# KiCad board KlusterLab r2.0.kicad_pcb
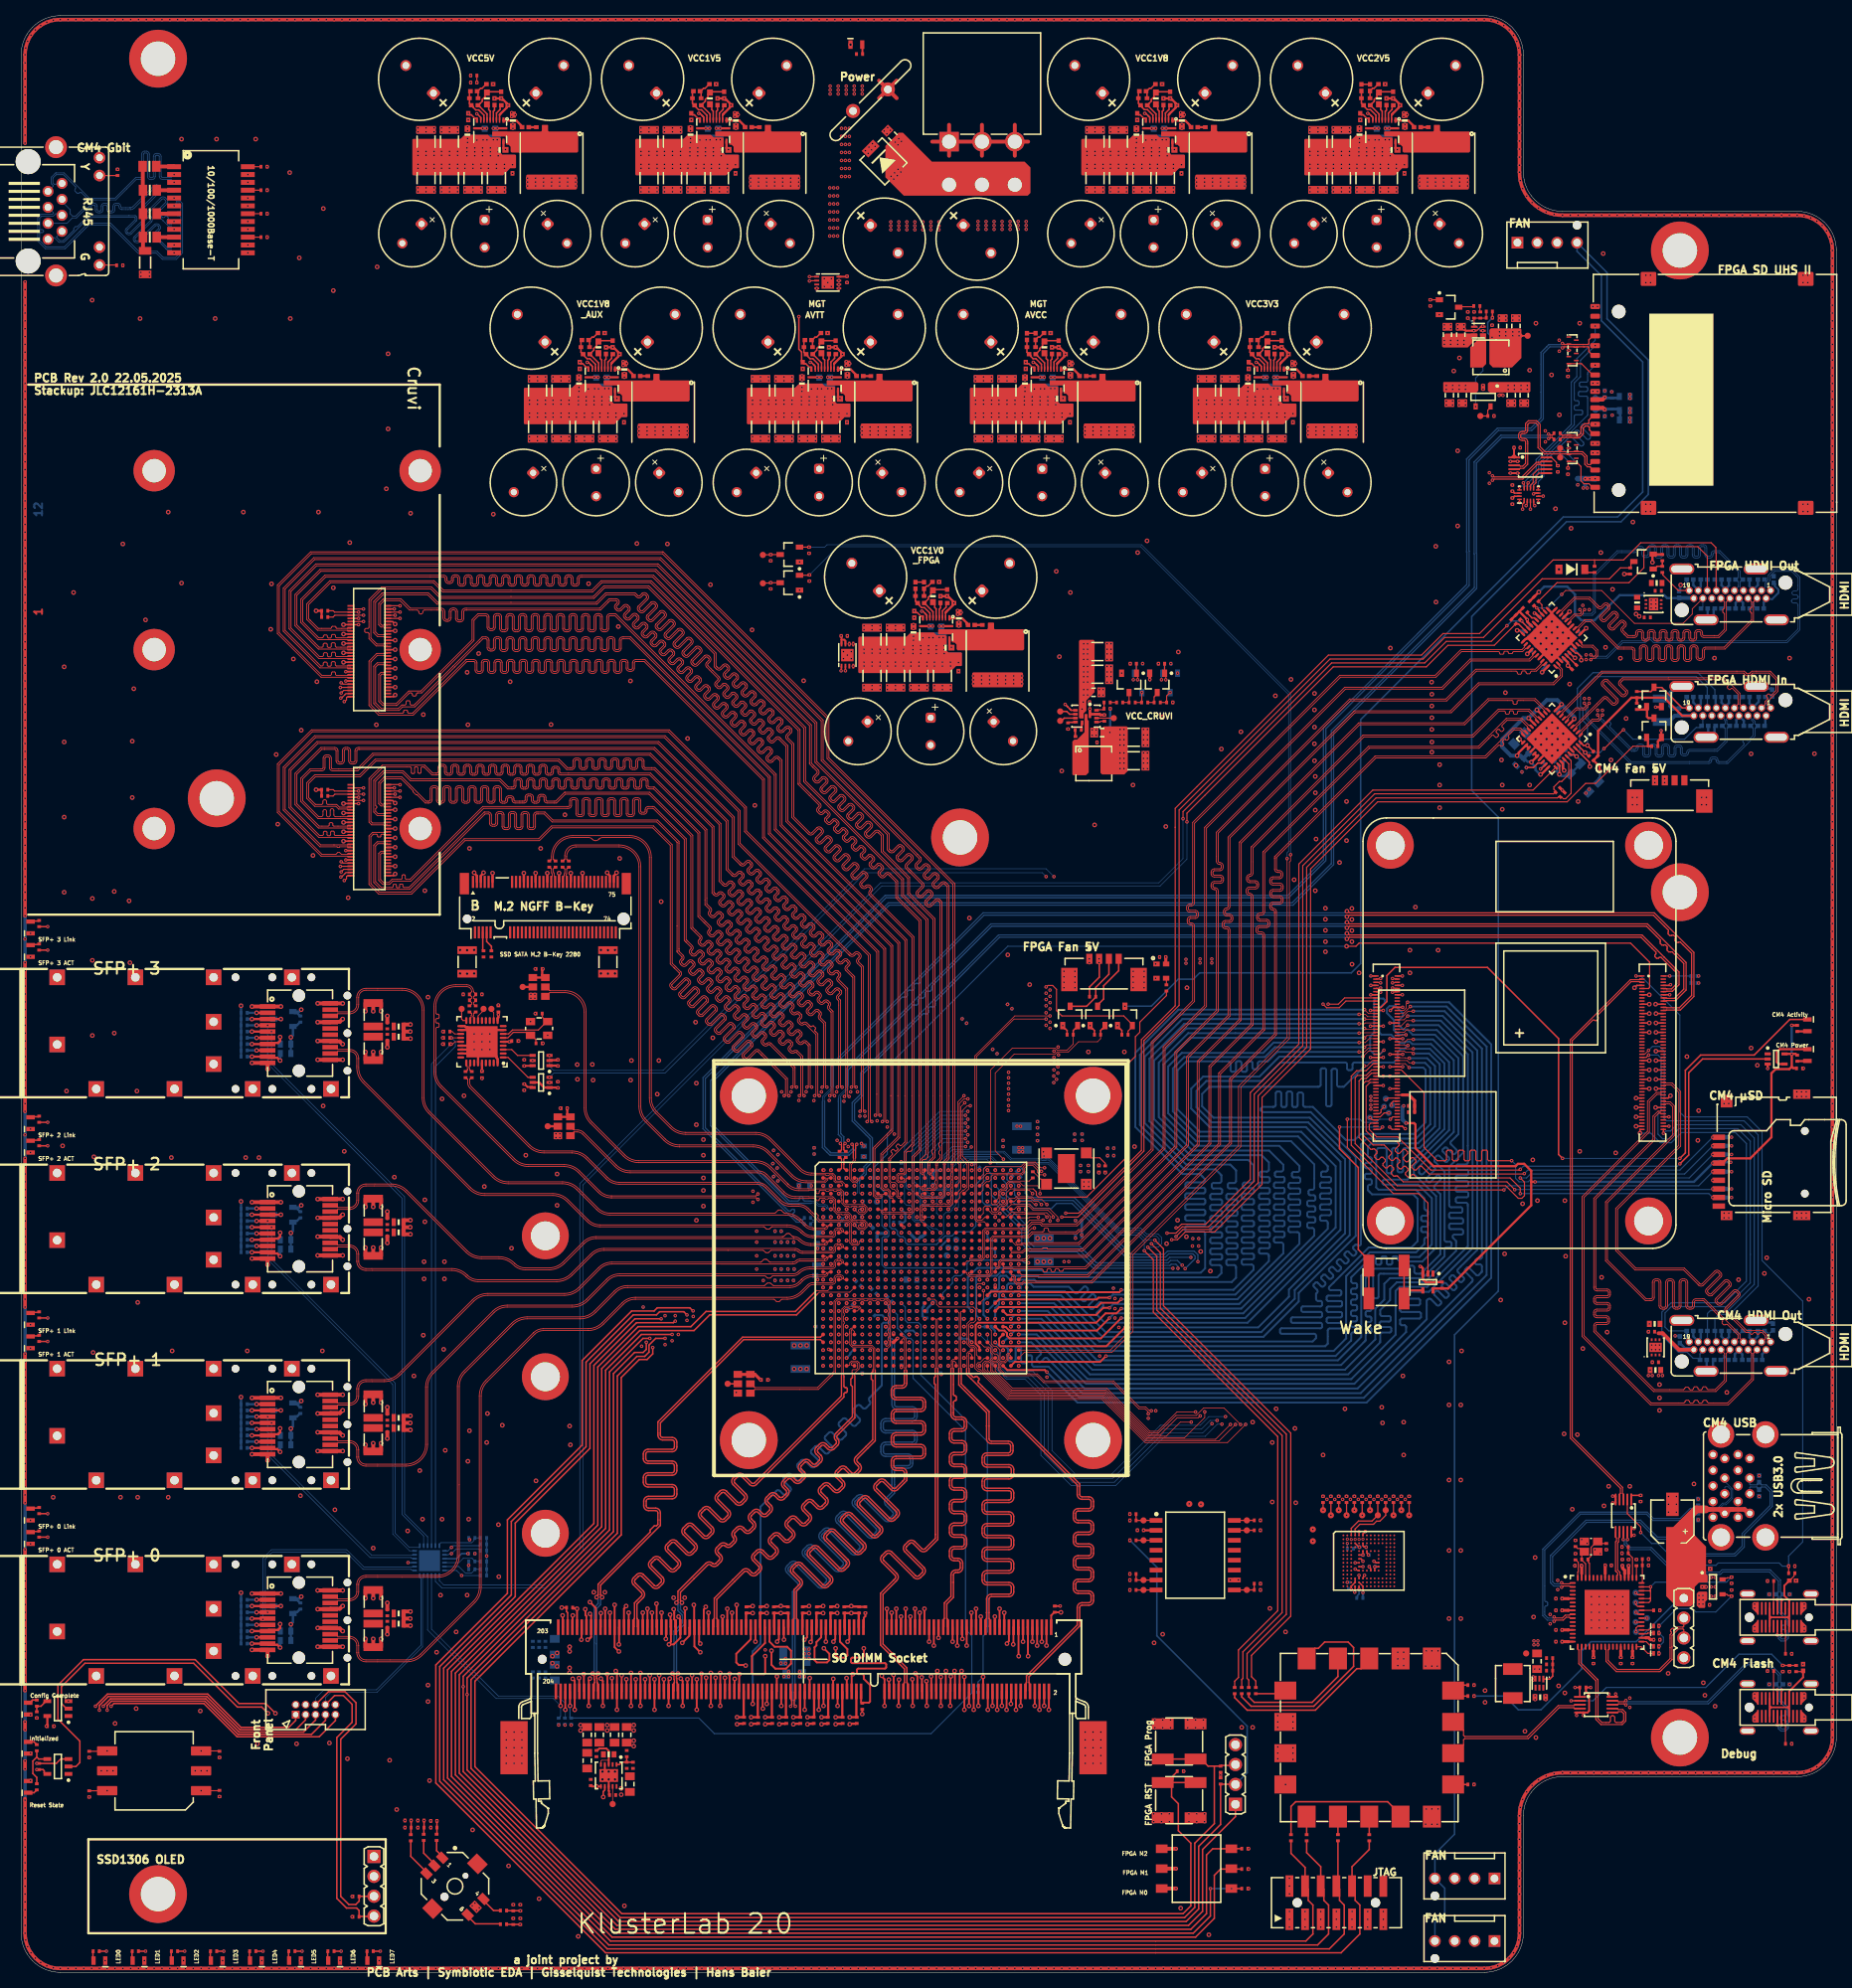
[diagram p0: board, top side]
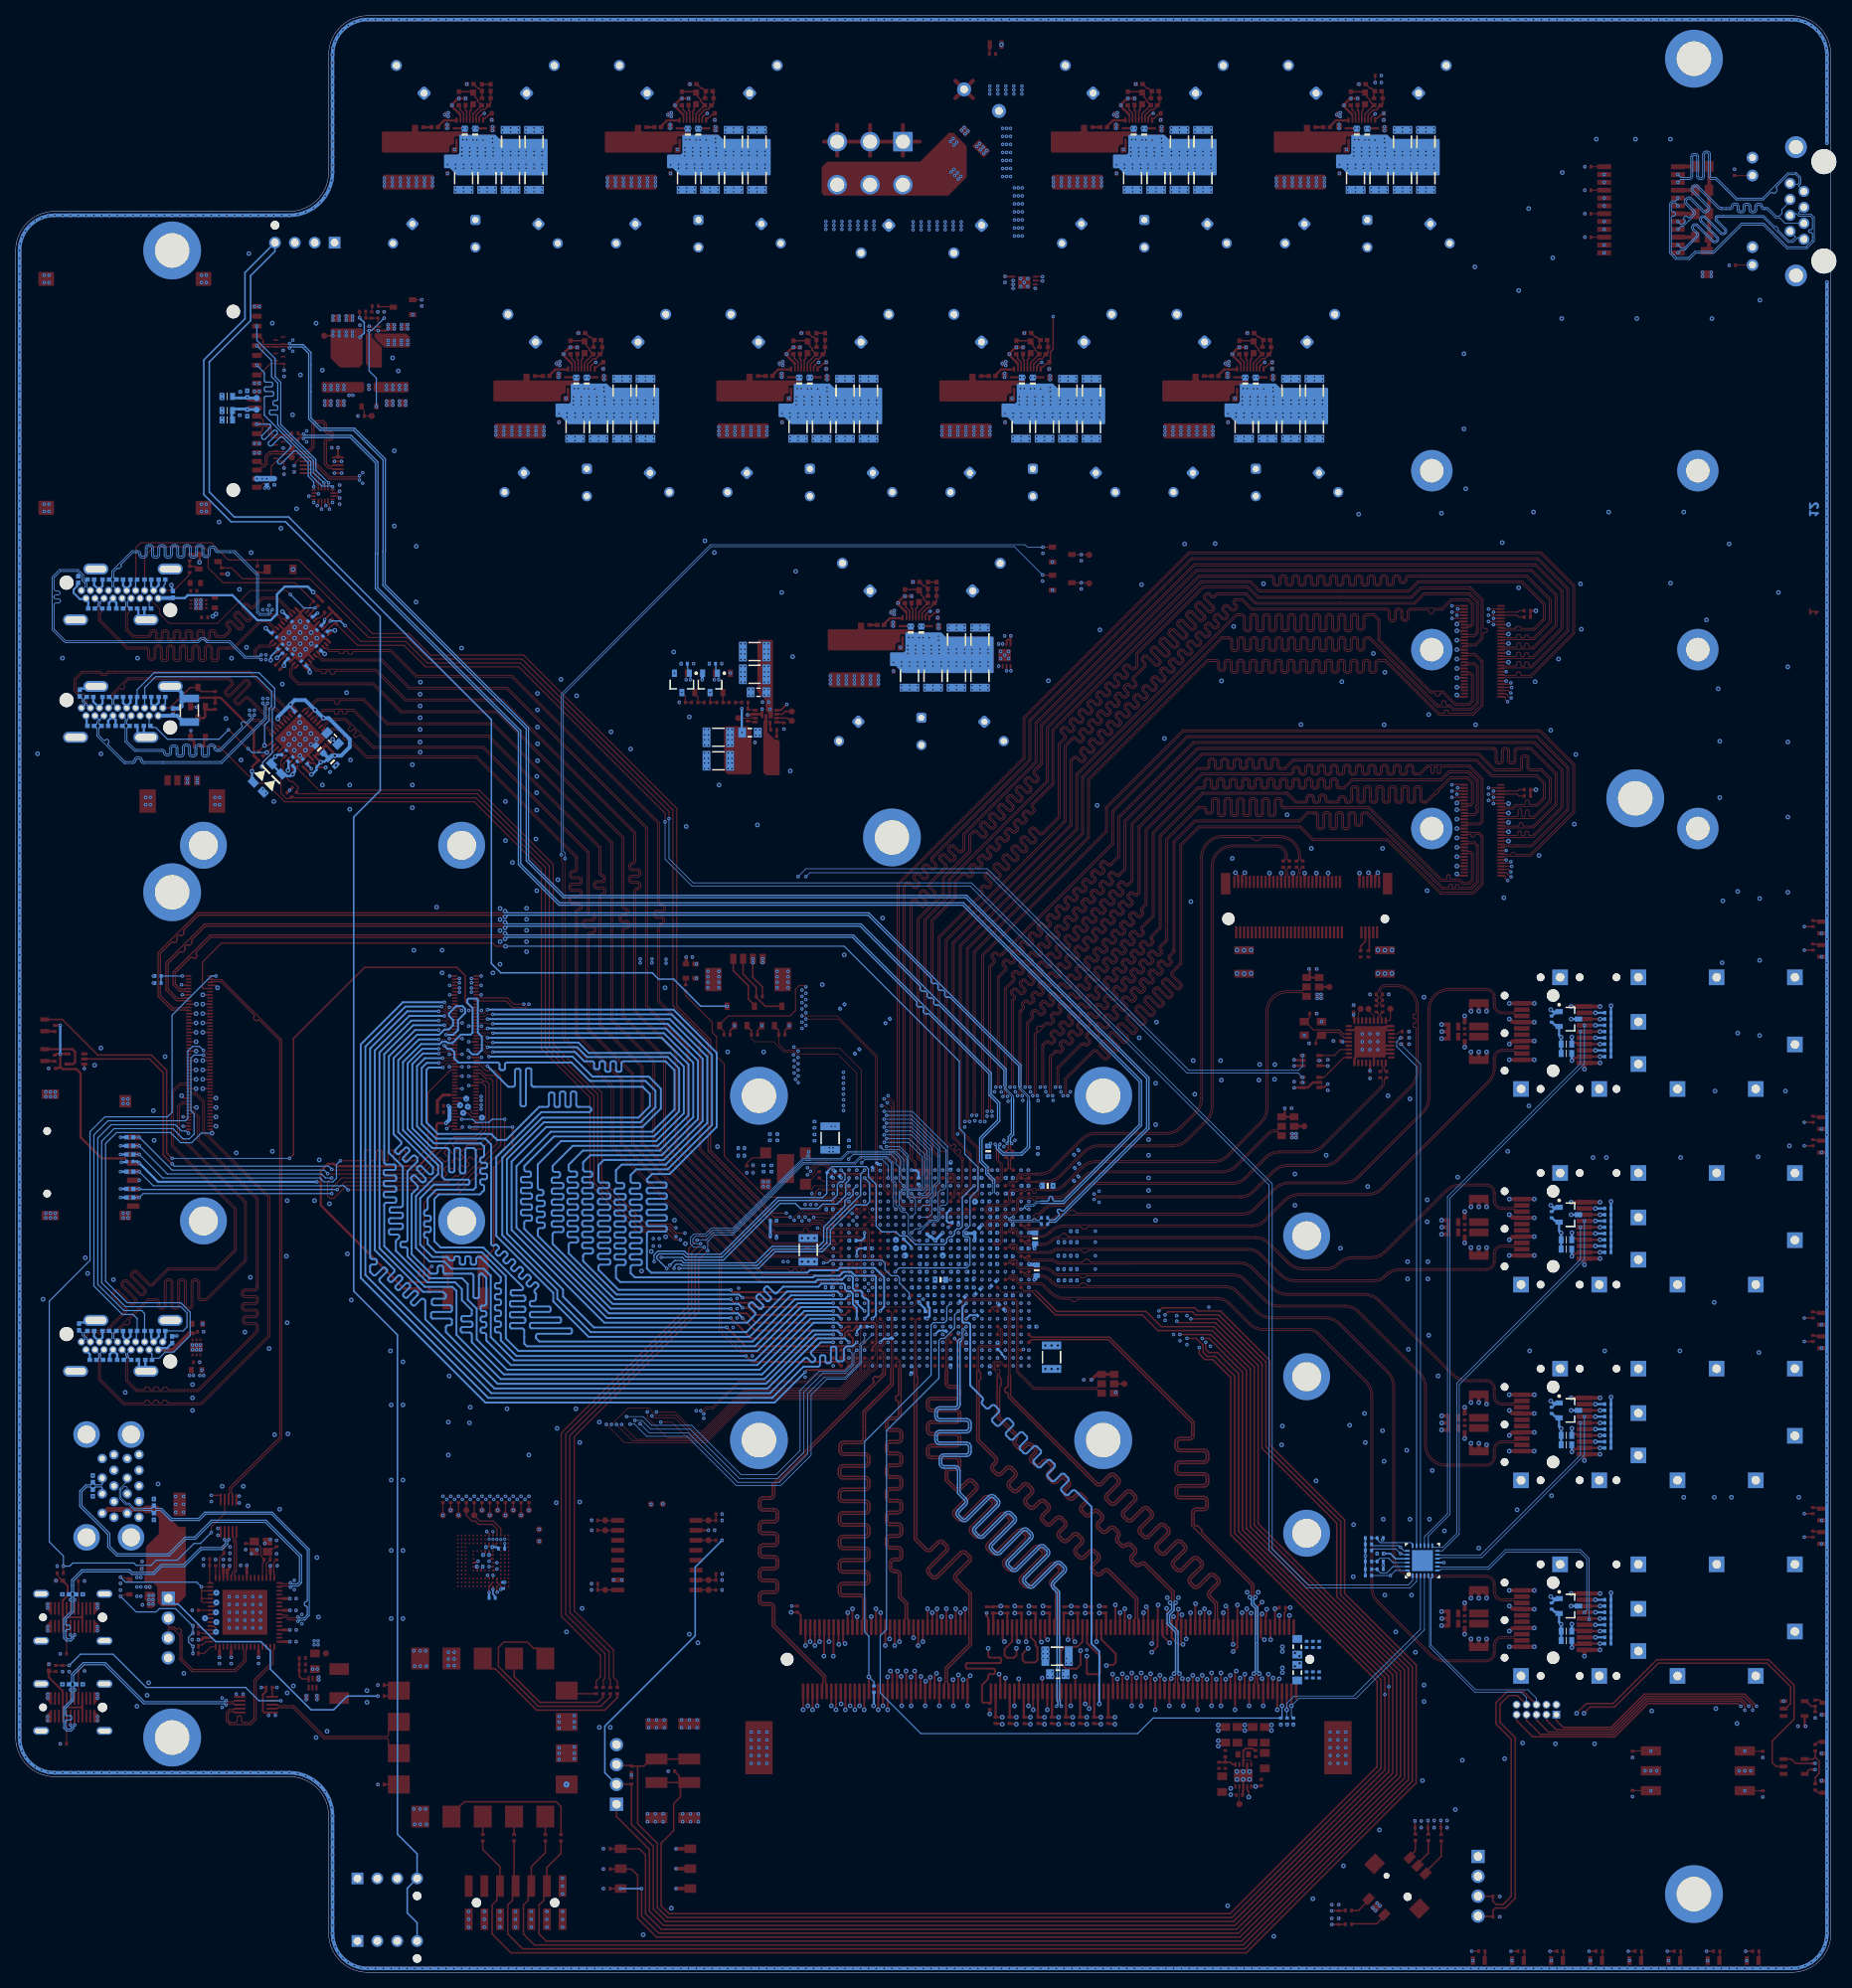
[diagram p1: board, bottom side, seen from below]

Outline 232 x 250 mm; copper layers: L1 Top, L2 Inner1 (GND), L3 Inner2 (Sig), L4 Inner3 (GND), L5 Inner4 (PWR), L6 Inner5 (PWR), L7 Inner6 (PWR), L8 Inner7 (PWR), L9 Inner8 (GND), L10 Inner9 (Sig), L11 Inner10 (GND), L12 Bottom. Coordinates in mm from the lower left corner of the outline.
Outline path: 0,245 arc(1.46,248.54) 5,250 187,250 arc(190.54,248.54) 192,245 192,230 arc(193.46,226.46) 197,225 227,225 arc(230.54,223.54) 232,220 232,30 arc(230.54,26.46) 227,25 197,25 arc(193.46,23.54) 192,20 192,5 arc(190.54,1.46) 187,0 5,0 arc(1.46,1.46) 0,5 0,245

## Placement (name value [footprint] x y rotation side)
C1  10nF 50V  [CAP_0402_L]  112.5 78 270 bottom
C2  10nF 50V  [CAP_0402_L]  106 85 45 bottom
C3  10nF 50V  [CAP_0402_L]  120 83.5 0 bottom
C4  10µF 35V  [CAP_0805]  77.8 24.05 0 top
C5  100nF 50V  [CAP_0402_L]  75.6 22.65 0 top
C6  100nF 100V  [CAP_0603_L]  75.1 27.85 90 top
C7  10µF 35V  [CAP_0805]  75.85 30.35 0 top
C8  10µF 35V  [CAP_0805]  77.4 30.35 0 top
C9  100nF 50V  [CAP_0402_L]  72.8 24.25 90 top
C10  100nF 50V  [CAP_0402_L]  73.53 27.95 270 top
C11  10µF 35V  [CAP_0805]  72.35 27.05 180 top
C12  10µF 35V  [CAP_0805]  72.35 30.35 0 top
C13  10µF 35V  [CAP_0805]  73.9 30.35 0 top
C14  10nF 50V  [CAP_0402_L]  78.2 26.45 270 top
C15  100nF 50V  [CAP_0402_L]  70.1 46.6 180 top
C16  10nF 50V  [CAP_0402_L]  132.1 46.4 90 top
C17  100nF 50V  [CAP_0402_L]  206.99 60.55 270 top
C18  100nF 50V  [CAP_0402_L]  107.1 46.3 90 top
C19  100nF 50V  [CAP_0402_L]  106.8 32.2 270 top
C20  100nF 50V  [CAP_0402_L]  196.55 42.25 180 top
C21  100nF 50V  [CAP_0402_L]  101.7 46.3 90 top
C22  100nF 50V  [CAP_0402_L]  99.9 46.3 90 top
C23  100nF 50V  [CAP_0402_L]  105.2 46.3 90 top
C24  100nF 50V  [CAP_0402_L]  103.5 46.3 90 top
C25  100nF 50V  [CAP_0402_L]  96 32.2 270 top
C26  100nF 50V  [CAP_0402_L]  97.8 32.2 270 top
C27  100nF 50V  [CAP_0402_L]  92.4 32.2 270 top
C28  100nF 50V  [CAP_0402_L]  94.2 32.2 270 top
C29  100nF 50V  [CAP_0402_L]  103.1 32.2 270 top
C30  100nF 50V  [CAP_0402_L]  105 32.2 270 top
C31  100nF 50V  [CAP_0402_L]  99.6 32.2 270 top
C32  100nF 50V  [CAP_0402_L]  101.3 32.2 270 top
C33  100nF 50V  [CAP_0402_L]  94.5 46.3 90 top
C34  100nF 50V  [CAP_0402_L]  92.7 46.3 90 top
C35  100nF 50V  [CAP_0402_L]  98 46.3 90 top
C36  100nF 50V  [CAP_0402_L]  96.2 46.3 90 top
C37  10µF 35V  [CAP_0805]  98.8 38.1 270 bottom
C38  100µF 6.3V  [CAP_1210]  98.9 40.4 270 bottom
C39  1µF 35V  [CAP_0402_L]  65.4 38 90 bottom
C40  1µF 35V  [CAP_0402_L]  65.4 41.9 90 bottom
C41  100nF 50V  [CAP_0402_L]  209.05 42.5 0 top
C42  100nF 50V  [CAP_0402_L]  204.65 52.35 90 top
C43  100nF 50V  [CAP_0402_L]  199 51.95 180 top
C44  100nF 50V  [CAP_0402_L]  196.55 47.75 180 top
C45  100nF 50V  [CAP_0402_L]  196.55 46.25 180 top
C46  100nF 50V  [CAP_0402_L]  196.55 43.75 180 top
C47  100nF 50V  [CAP_0402_L]  200.95 39.85 270 top
C48  100nF 50V  [CAP_0402_L]  204.45 39.85 270 top
C49  100nF 50V  [CAP_0402_L]  205.95 39.85 270 top
C50  100nF 50V  [CAP_0402_L]  205.45 52.35 90 top
C51  100nF 50V  [CAP_0402_L]  202.85 52 0 top
C52  1µF 16V  [CAP_0402_L]  205 54.35 180 top
C53  12pF 50V  [CAP_0402_L]  202.6 54.4 90 top
C54  12pF 50V  [CAP_0402_L]  198.65 54.8 270 top
C55  1µF 35V  [CAP_0402_L]  226.01 38.82 270 top
C56  100nF 50V  [CAP_0402_L]  215.4 46.95 0 top
C57  100nF 50V  [CAP_0402_L]  67 38 90 bottom
C58  100nF 50V  [CAP_0402_L]  66.2 38 90 bottom
C59  10µF 35V  [CAP_0805]  68.2 38.3 180 bottom
C60  100µF 10V  [WCAP-ASLI_D5H5.5]  211.05 57.6 270 top
C61  100nF 50V  [CAP_0402_L]  215.45 52.5 0 top
C62  22µF 25V  [CAP_1210]  108.75 170.3 0 bottom
C63  22µF 25V  [CAP_1210]  111.75 170.3 0 bottom
C64  22µF 25V  [CAP_1210]  108.75 170.3 180 top
C65  22µF 25V  [CAP_1210]  111.75 170.3 180 top
C66  1µF 50V  [CAP_0603]  119.85 173 0 top
C67  1µF 50V  [CAP_0603#2]  117.6 171.2 0 bottom
C68  1µF 50V  [CAP_0603#2]  116.25 171.2 0 bottom
C69  1µF 50V  [CAP_0603]  114.05 171.2 180 top
C70  100nF 50V  [CAP_0402]  123.4 172.15 270 top
C71  100nF 50V  [CAP_0402]  119.8 166.8 0 top
C72  47µF 10V  [CAP_1210]  117.75 165.65 0 top
C73  47µF 10V  [CAP_1210]  114.75 165.65 0 top
C74  47µF 10V  [CAP_1210]  111.75 165.65 0 top
C75  47µF 10V  [CAP_1210]  108.75 165.65 0 top
C76  OPT  [CAP_0402]  114.85 175.85 270 top
C77  2.2µF 16V  [CAP_0603]  118.15 169.25 90 top
C78  100nF 50V  [CAP_0402_L]  67 41.9 90 bottom
C79  100nF 50V  [CAP_0402_L]  66.2 41.9 90 bottom
C80  10µF 35V  [CAP_0805]  68.2 41.6 180 bottom
C81  100nF 50V  [CAP_0402_L]  105.4 104.5 90 top
C82  100nF 50V  [CAP_0402_L]  104.6 104.51 90 top
C83  10nF 50V  [CAP_0402_L]  70 141.6 270 top
C84  10nF 50V  [CAP_0402_L]  69.2 141.6 270 top
C85  10nF 50V  [CAP_0402_L]  67.5 141.6 270 top
C86  10nF 50V  [CAP_0402_L]  68.3 141.6 270 top
C87  22µF 25V  [CAP_1210]  45 43.05 180 top
C88  100nF 50V  [CAP_0402_L]  46.8 44.45 270 top
C89  22µF 25V  [CAP_1210]  45 47.35 0 top
C90  100nF 50V  [CAP_0402_L]  46.8 45.95 90 top
C91  22µF 25V  [CAP_1210]  45 68.05 180 top
C92  100nF 50V  [CAP_0402_L]  46.8 69.45 270 top
C93  22µF 25V  [CAP_1210]  45 72.35 0 top
C94  100nF 50V  [CAP_0402_L]  46.8 70.95 90 top
C95  100nF 50V  [CAP_0402_L]  46.8 94.45 270 top
C96  22µF 25V  [CAP_1210]  45 93.05 180 top
C97  100nF 50V  [CAP_0402_L]  46.8 95.95 90 top
C98  22µF 25V  [CAP_1210]  45 97.35 0 top
C99  100nF 50V  [CAP_0402_L]  46.8 119.45 270 top
C100  22µF 25V  [CAP_1210]  45 118.05 180 top
C101  100nF 50V  [CAP_0402_L]  46.8 120.95 90 top
C102  22µF 25V  [CAP_1210]  45 122.35 0 top
C103  22µF 25V  [CAP_1210]  75 129.1 0 top
C104  22µF 25V  [CAP_1210]  57 129.1 0 top
C105  100nF 50V  [CAP_0402_L]  181.6 87.8 270 top
C106  100nF 50V  [CAP_0402_L]  227.3 115.5 180 top
C107  47µF 10V  [CAP_1210]  117.75 165.65 180 bottom
C108  47µF 10V  [CAP_1210]  114.75 165.65 180 bottom
C109  47µF 10V  [CAP_1210]  111.75 165.65 180 bottom
C110  47µF 10V  [CAP_1210]  108.75 165.65 180 bottom
C111  220nF 50V  [CAP_0603]  116.54 175.83 0 top
C112  10µF 6.3V  [CAP_0603_L]  208.88 76.95 270 top
C113  10µF 6.3V  [CAP_0603_L]  208.78 82.85 90 top
C114  100nF 50V  [CAP_0402_L]  208.88 77.95 0 top
C115  100nF 50V  [CAP_0402_L]  208.38 81.85 180 top
C116  100nF 50V  [CAP_0402_L]  217.4 103.6 0 bottom
C117  12pF 50V  [CAP_0402_L]  195.35 39.35 180 top
C118  10µF 6.3V  [CAP_0603_L]  194.15 35.15 270 top
C119  22µF 16V  [CAP_0805]  193.75 39.75 180 top
C120  10µF 6.3V  [CAP_0402_L]  96.75 91.55 180 bottom
C121  10µF 6.3V  [CAP_0402_L]  96.75 93.3 180 bottom
C122  10µF 6.3V  [CAP_0402_L]  96.75 94.7 180 bottom
C123  10µF 6.3V  [CAP_0402_L]  96.75 89.85 180 bottom
C124  10µF 6.3V  [CAP_0402_L]  125.5 105.9 90 bottom
C125  10µF 6.3V  [CAP_0402_L]  129.9 106.65 270 bottom
C126  10µF 6.3V  [CAP_0402_L]  134.65 106.7 90 bottom
C127  10µF 6.3V  [CAP_0402_L]  139.25 104.35 0 bottom
C128  1µF 16V  [CAP_0402_L]  116.54 86.06 270 bottom
C129  1µF 16V  [CAP_0402_L]  115.5 93.9 90 bottom
C130  1µF 16V  [CAP_0402_L]  96.75 88.4 180 bottom
C131  1µF 16V  [CAP_0402_L]  110.49 93.98 270 bottom
C132  1µF 16V  [CAP_0402_L]  115.99 89.49 0 bottom
C133  1µF 16V  [CAP_0402_L]  109.14 94.81 135 bottom
C134  1µF 16V  [CAP_0402_L]  129.9 108.3 90 bottom
C135  1µF 16V  [CAP_0402_L]  135.6 106.7 90 bottom
C136  4.7µF 6.3V  [CAP_0402_L]  96.45 104.75 135 bottom
C137  4.7µF 6.3V  [CAP_0402_L]  96.35 103.05 135 bottom
C138  4.7µF 6.3V  [CAP_0402_L]  96.45 101.4 135 bottom
C139  4.7µF 6.3V  [CAP_0402_L]  101.35 104.95 90 bottom
C140  4.7µF 6.3V  [CAP_0402_L]  135.4 102.7 270 bottom
C141  4.7µF 6.3V  [CAP_0402_L]  120.55 121.55 135 bottom
C142  4.7µF 6.3V  [CAP_0402_L]  124.45 117.65 135 bottom
C143  100nF 50V  [CAP_0402_L]  199.61 36.4 0 top
C144  4.7µF 6.3V  [CAP_0402_L]  126.35 123.4 135 bottom
C145  100nF 50V  [CAP_0402_L]  98.35 88.4 0 bottom
C146  100nF 50V  [CAP_0402_L]  98.4 89.85 0 bottom
C147  100nF 50V  [CAP_0402_L]  137.75 102.64 90 top
C148  100nF 50V  [CAP_0402_L]  2.3 26.3 90 top
C149  100nF 50V  [CAP_0402_L]  98.35 91.55 0 bottom
C150  100nF 50V  [CAP_0402_L]  98.35 93.3 0 bottom
C151  100nF 50V  [CAP_0402_L]  135.15 94.01 0 bottom
C152  100nF 50V  [CAP_0402_L]  135.15 96.05 0 bottom
C153  100nF 50V  [CAP_0402_L]  136.4 102.7 270 bottom
C154  100nF 50V  [CAP_0402_L]  171.1 47.83 0 bottom
C155  100nF 50V  [CAP_0402_L]  171.9 53.33 180 bottom
C156  100nF 50V  [CAP_0402_L]  169.7 49.43 90 bottom
C157  100nF 50V  [CAP_0402_L]  3.75 31.45 0 top
C158  100nF 50V  [CAP_0402_L]  172.7 51.83 0 bottom
C159  100nF 50V  [CAP_0402_L]  171.5 54.33 180 bottom
C160  100nF 50V  [CAP_0402_L]  169.9 54.13 180 bottom
C161  10nF 50V  [CAP_0402_L]  31.05 221.7 180 top
C162  10nF 50V  [CAP_0402_L]  31.05 224.7 180 top
C163  100nF 50V  [CAP_0402_L]  143.06 56.49 0 top
C164  10nF 50V  [CAP_0402_L]  31.05 227.7 180 top
C165  10nF 50V  [CAP_0402_L]  31.05 230.7 180 top
C166  1nF 2000V  [CAP_1206]  15.85 218.45 180 top
C167  100nF 50V  [CAP_0402_L]  193.21 171.79 315 bottom
C168  100nF 50V  [CAP_0402_L]  194.35 172.91 315 bottom
C169  100nF 50V  [CAP_0402_L]  196.89 168.11 135 bottom
C170  100nF 50V  [CAP_0402_L]  196.96 172.85 225 bottom
C171  100nF 50V  [CAP_0402_L]  198.94 170.87 225 bottom
C172  100nF 50V  [CAP_0402_L]  193.28 169.17 45 bottom
C173  100nF 50V  [CAP_0402_L]  195.2 167.25 45 bottom
C174  10µF 6.3V  [CAP_0603_L]  206.54 175.01 180 top
C175  10µF 6.3V  [CAP_0603_L]  209.04 177.51 90 top
C176  100nF 50V  [CAP_0402_L]  207.84 173.11 180 top
C177  100nF 50V  [CAP_0402_L]  209.24 176.51 180 top
C178  22µF 25V  [CAP_1210]  209.8 161.25 0 bottom
C179  100nF 50V  [CAP_0402_L]  197.7 155.84 135 bottom
C180  10µF 35V  [CAP_0805]  191.5 157.65 315 bottom
C181  100nF 50V  [CAP_0402_L]  196 160.79 225 bottom
C182  22µF 10V  [CAP_0603_L]  193.18 156.27 135 bottom
C183  100nF 50V  [CAP_0402_L]  196.85 155 135 bottom
C184  100nF 50V  [CAP_0402_L]  196.29 154.43 135 bottom
C185  100nF 50V  [CAP_0402_L]  57.6 53.5 0 bottom
C186  100nF 50V  [CAP_0402_L]  58.9 114.7 90 top
C187  100nF 50V  [CAP_0402_L]  63.1 119 180 top
C188  100nF 50V  [CAP_0402_L]  61 123.1 270 top
C189  100nF 50V  [CAP_0402_L]  58.1 123.1 90 top
C190  100nF 50V  [CAP_0402_L]  56.8 114.7 270 top
C191  100nF 50V  [CAP_0402_L]  57.3 123.1 90 top
C192  100nF 50V  [CAP_0402_L]  57.6 114.7 270 top
C193  OPT  [CAP_0402_L]  66.2 122.5 0 top
C194  100nF 50V  [CAP_0402_L]  64.3 116.2 270 top
C195  100nF 50V  [CAP_0402_L]  68.6 116.2 270 top
C196  OPT  [CAP_0402_L]  66.2 118.7 180 top
C197  100nF 50V  [CAP_0402_L]  95 75.7 180 top
C198  100nF 50V  [CAP_0402_L]  66.2 128.2 0 top
C199  100nF 50V  [CAP_0402_L]  69.4 110.4 0 top
C200  1µF 35V  [CAP_0402_L]  115.9 91.5 0 bottom
C201  1µF 35V  [CAP_0402_L]  116 88.5 180 bottom
C202  1µF 35V  [CAP_0402_L]  115 87.5 180 bottom
C203  10µF 6.3V  [CAP_0603_L]  113.8 88.5 270 bottom
C204  1µF 35V  [CAP_0402_L]  114 90.5 180 bottom
C205  1µF 35V  [CAP_0402_L]  117 87.5 180 bottom
C206  1µF 35V  [CAP_0402_L]  116.6 101.1 90 bottom
C207  100µF 6.3V  [CAP_1210]  127.9 106.6 180 bottom
C208  1µF 35V  [CAP_0402_L]  128.1 87.5 0 bottom
C209  1µF 35V  [CAP_0402_L]  114 93.5 0 bottom
C210  1µF 35V  [CAP_0402_L]  110 91.5 0 bottom
C211  1µF 35V  [CAP_0402_L]  111 92.5 0 bottom
C212  1µF 35V  [CAP_0402_L]  108.8 84.2 315 bottom
C213  100nF 50V  [CAP_0402_L]  139.25 105.3 0 bottom
C214  1µF 35V  [CAP_0402_L]  112 89.5 0 bottom
C215  1µF 35V  [CAP_0402_L]  111.5 88 90 bottom
C216  1µF 35V  [CAP_0402_L]  112 91.5 0 bottom
C217  1µF 35V  [CAP_0402_L]  109 101.5 180 bottom
C218  1µF 35V  [CAP_0402_L]  112.5 103 90 bottom
C219  100nF 50V  [CAP_0402_L]  145.9 129.72 180 top
C220  1µF 35V  [CAP_0402_L]  116 90.5 180 bottom
C221  1µF 35V  [CAP_0402_L]  114 92.5 180 bottom
C222  1µF 35V  [CAP_0402_L]  116 92.5 180 bottom
C223  1µF 35V  [CAP_0402_L]  119.7 81.3 315 bottom
C224  1µF 35V  [CAP_0402_L]  115 86.5 0 bottom
C225  1µF 35V  [CAP_0402_L]  125 93.5 180 bottom
C226  1µF 35V  [CAP_0402_L]  107 88 135 bottom
C227  1µF 35V  [CAP_0402_L]  123.6 82.5 0 bottom
C228  1µF 35V  [CAP_0402_L]  111 90.5 0 bottom
C229  1µF 35V  [CAP_0402_L]  109 93.5 180 bottom
C230  1µF 35V  [CAP_0402_L]  112 93.5 0 bottom
C231  1µF 35V  [CAP_0402_L]  112.8 82.2 315 bottom
C232  1µF 35V  [CAP_0402_L]  113 87.5 180 bottom
C233  1µF 35V  [CAP_0402_L]  110 88.5 180 bottom
C234  1µF 35V  [CAP_0402_L]  108.5 92 270 bottom
C235  100µF 6.3V  [CAP_1210]  130.7 92.3 0 bottom
C236  1µF 35V  [CAP_0402_L]  128 97.5 0 bottom
C237  1µF 35V  [CAP_0402_L]  108 98.5 0 bottom
C238  1µF 35V  [CAP_0402_L]  105 99.5 0 bottom
C239  1µF 35V  [CAP_0402_L]  107 96.5 180 bottom
C240  10µF 6.3V  [CAP_0603_L]  107.7 104.9 180 bottom
C241  1µF 35V  [CAP_0402_L]  107 92.5 180 bottom
C242  1µF 35V  [CAP_0402_L]  108 100.5 0 bottom
C243  1µF 35V  [CAP_0402_L]  122.2 103.1 135 bottom
C244  1µF 35V  [CAP_0402_L]  124.5 86.1 270 bottom
C245  1µF 35V  [CAP_0402_L]  117.5 77 270 bottom
C246  10µF 6.3V  [CAP_0603_L]  101.5 89.7 180 bottom
C247  1µF 35V  [CAP_0402_L]  103 96.5 180 bottom
C248  1µF 35V  [CAP_0402_L]  103 100.5 180 bottom
C249  1µF 35V  [CAP_0402_L]  123 92.5 0 bottom
C250  100nF 50V  [CAP_0402_L]  105.55 216.3 90 top
C251  1µF 35V  [CAP_0402_L]  107 94.5 180 bottom
C252  100nF 50V  [CAP_0402_L]  105.2 170.75 180 top
C253  100µF 6.3V  [CAP_1210]  99.6 78.6 180 bottom
C254  1µF 35V  [CAP_0402_L]  115.7 84 90 bottom
C255  1µF 35V  [CAP_0402_L]  105 91.5 0 bottom
C256  1µF 35V  [CAP_0402_L]  103 92.5 180 bottom
C257  1µF 35V  [CAP_0402_L]  105 101.5 0 bottom
C258  330µF 25V  [WCAP-PTG5_D10H12.5]  107.93 178.27 315 top
C259  330µF 25V  [WCAP-PTG5_D10H12.5]  124.57 178.27 225 top
C260  470µF 16V  [WCAP-PTG5_D8H13]  106.95 158.55 45 top
C261  10µF 6.3V  [CAP_0603_L]  101.7 93.8 180 bottom
C262  10µF 6.3V  [CAP_0603_L]  100.1 100.5 270 bottom
C263  1µF 35V  [CAP_0402_L]  105 95.5 0 bottom
C264  470µF 16V  [WCAP-PTG5_D8H13]  116.24 158.55 90 top
C265  470µF 16V  [WCAP-PTG5_D8H13]  125.53 158.55 135 top
C267  22µF 25V  [CAP_1210]  51.75 233.9 0 bottom
C268  22µF 25V  [CAP_1210]  54.75 233.9 0 bottom
C269  1µF 35V  [CAP_0402_L]  107 90.5 180 bottom
C270  22µF 25V  [CAP_1210]  51.75 233.9 180 top
C271  1µF 35V  [CAP_0402_L]  102 82.5 180 bottom
C272  1µF 35V  [CAP_0402_L]  107.5 77 270 bottom
C273  22µF 25V  [CAP_1210]  54.75 233.9 180 top
C274  1µF 35V  [CAP_0402_L]  106.5 80 270 bottom
C275  1µF 35V  [CAP_0402_L]  118.5 94.1 270 bottom
C276  1µF 50V  [CAP_0603]  57.05 234.8 180 top
C277  1µF 35V  [CAP_0402_L]  111.9 95.8 0 bottom
C278  1µF 50V  [CAP_0603]  59.25 234.8 0 bottom
C279  1µF 50V  [CAP_0805]  111.41 234.59 225 top
C280  1µF 50V  [CAP_0603]  60.6 234.8 0 bottom
C281  330µF 25V  [WCAP-PTG5_D10H12.5]  110.32 221.45 135 top
C282  330µF 25V  [WCAP-PTG5_D10H12.5]  122.18 221.45 135 top
C286  1µF 50V  [CAP_0603]  62.85 236.6 0 top
C287  330µF 25V  [WCAP-PTG5_D10H12.5]  67.57 241.87 225 top
C288  330µF 25V  [WCAP-PTG5_D10H12.5]  50.93 241.87 315 top
C289  100nF 50V  [CAP_0402]  66.4 235.75 270 top
C290  100nF 50V  [CAP_0402]  62.8 230.4 0 top
C291  47µF 10V  [CAP_1210]  60.75 229.25 0 top
C292  47µF 10V  [CAP_1210]  57.75 229.25 0 top
C293  47µF 10V  [CAP_1210]  54.75 229.25 0 top
C294  47µF 10V  [CAP_1210]  51.75 229.25 0 top
C295  OPT  [CAP_0402]  57.85 239.45 270 top
C296  2.2µF 16V  [CAP_0603]  61.15 232.85 90 top
C297  47µF 10V  [CAP_1210]  60.75 229.25 180 bottom
C298  47µF 10V  [CAP_1210]  57.75 229.25 180 bottom
C299  47µF 10V  [CAP_1210]  54.75 229.25 180 bottom
C300  47µF 10V  [CAP_1210]  51.75 229.25 180 bottom
C301  220nF 50V  [CAP_0603#2]  59.54 239.43 0 top
C302  470µF 16V  [WCAP-PTG5_D8H13]  49.95 222.15 45 top
C303  470µF 16V  [WCAP-PTG5_D8H13]  59.24 222.15 90 top
C304  470µF 16V  [WCAP-PTG5_D8H13]  68.53 222.15 135 top
C306  22µF 25V  [CAP_1210]  137.25 233.9 0 bottom
C307  22µF 25V  [CAP_1210]  140.25 233.9 0 bottom
C308  22µF 25V  [CAP_1210]  137.25 233.9 180 top
C309  22µF 25V  [CAP_1210]  140.25 233.9 180 top
C310  1µF 50V  [CAP_0603]  142.55 234.8 180 top
C311  1µF 50V  [CAP_0603]  144.75 234.8 0 bottom
C312  1µF 50V  [CAP_0603]  146.1 234.8 0 bottom
C313  1µF 50V  [CAP_0603]  148.35 236.6 0 top
C314  330µF 25V  [WCAP-PTG5_D10H12.5]  153.07 241.87 225 top
C315  330µF 25V  [WCAP-PTG5_D10H12.5]  136.43 241.87 315 top
C316  100nF 50V  [CAP_0402]  151.9 235.75 270 top
C317  100nF 50V  [CAP_0402]  148.3 230.4 0 top
C318  47µF 10V  [CAP_1210]  146.25 229.25 0 top
C319  47µF 10V  [CAP_1210]  143.25 229.25 0 top
C320  47µF 10V  [CAP_1210]  140.25 229.25 0 top
C321  47µF 10V  [CAP_1210]  137.25 229.25 0 top
C322  OPT  [CAP_0402]  143.35 239.45 270 top
C323  2.2µF 16V  [CAP_0603]  146.65 232.85 90 top
C324  47µF 10V  [CAP_1210]  146.25 229.25 180 bottom
C325  47µF 10V  [CAP_1210]  143.25 229.25 180 bottom
C326  47µF 10V  [CAP_1210]  140.25 229.25 180 bottom
C327  47µF 10V  [CAP_1210]  137.25 229.25 180 bottom
C328  220nF 50V  [CAP_0603]  145.04 239.42 0 top
C329  470µF 16V  [WCAP-PTG5_D8H13]  135.45 222.15 45 top
C330  470µF 16V  [WCAP-PTG5_D8H13]  144.74 222.15 90 top
C331  470µF 16V  [WCAP-PTG5_D8H13]  154.03 222.15 135 top
C333  22µF 25V  [CAP_1210]  66 202.1 0 bottom
C334  22µF 25V  [CAP_1210]  69 202.1 0 bottom
C335  22µF 25V  [CAP_1210]  66 202.1 180 top
C336  22µF 25V  [CAP_1210]  69 202.1 180 top
C337  1µF 50V  [CAP_0603]  71.3 203 180 top
C338  1µF 50V  [CAP_0603]  73.5 203 0 bottom
C339  1µF 50V  [CAP_0603]  74.85 203 0 bottom
C340  1µF 50V  [CAP_0603]  77.1 204.8 0 top
C341  330µF 25V  [WCAP-PTG5_D10H12.5]  81.82 210.07 225 top
C342  330µF 25V  [WCAP-PTG5_D10H12.5]  65.18 210.07 315 top
C343  100nF 50V  [CAP_0402]  80.65 203.95 270 top
C344  100nF 50V  [CAP_0402]  77.05 198.6 0 top
C345  47µF 10V  [CAP_1210]  75 197.45 0 top
C346  47µF 10V  [CAP_1210]  72 197.45 0 top
C347  47µF 10V  [CAP_1210]  69 197.45 0 top
C348  47µF 10V  [CAP_1210]  66 197.45 0 top
C349  OPT  [CAP_0402]  72.1 207.65 270 top
C350  2.2µF 16V  [CAP_0603]  75.4 201.05 90 top
C351  47µF 10V  [CAP_1210]  75 197.45 180 bottom
C352  47µF 10V  [CAP_1210]  72 197.45 180 bottom